# Altium PCB drac_v3.PcbDoc (part 5 of 5)
Units mm, origin at the board's own origin, x right, y up, seen from the top; angles counter-clockwise.
Board outline 160 x 227.5 mm, 6 copper layers (Top Layer, Mid Layer 1_gnd, Mid Layer 2, Mid Layer 3, Mid Layer 4_gnd, Bottom Layer), stack 1.597 mm thick; 492 components, 264 nets, 1625 pads, 1112 vias.
Unrouted connection lines stored in the file: 68.
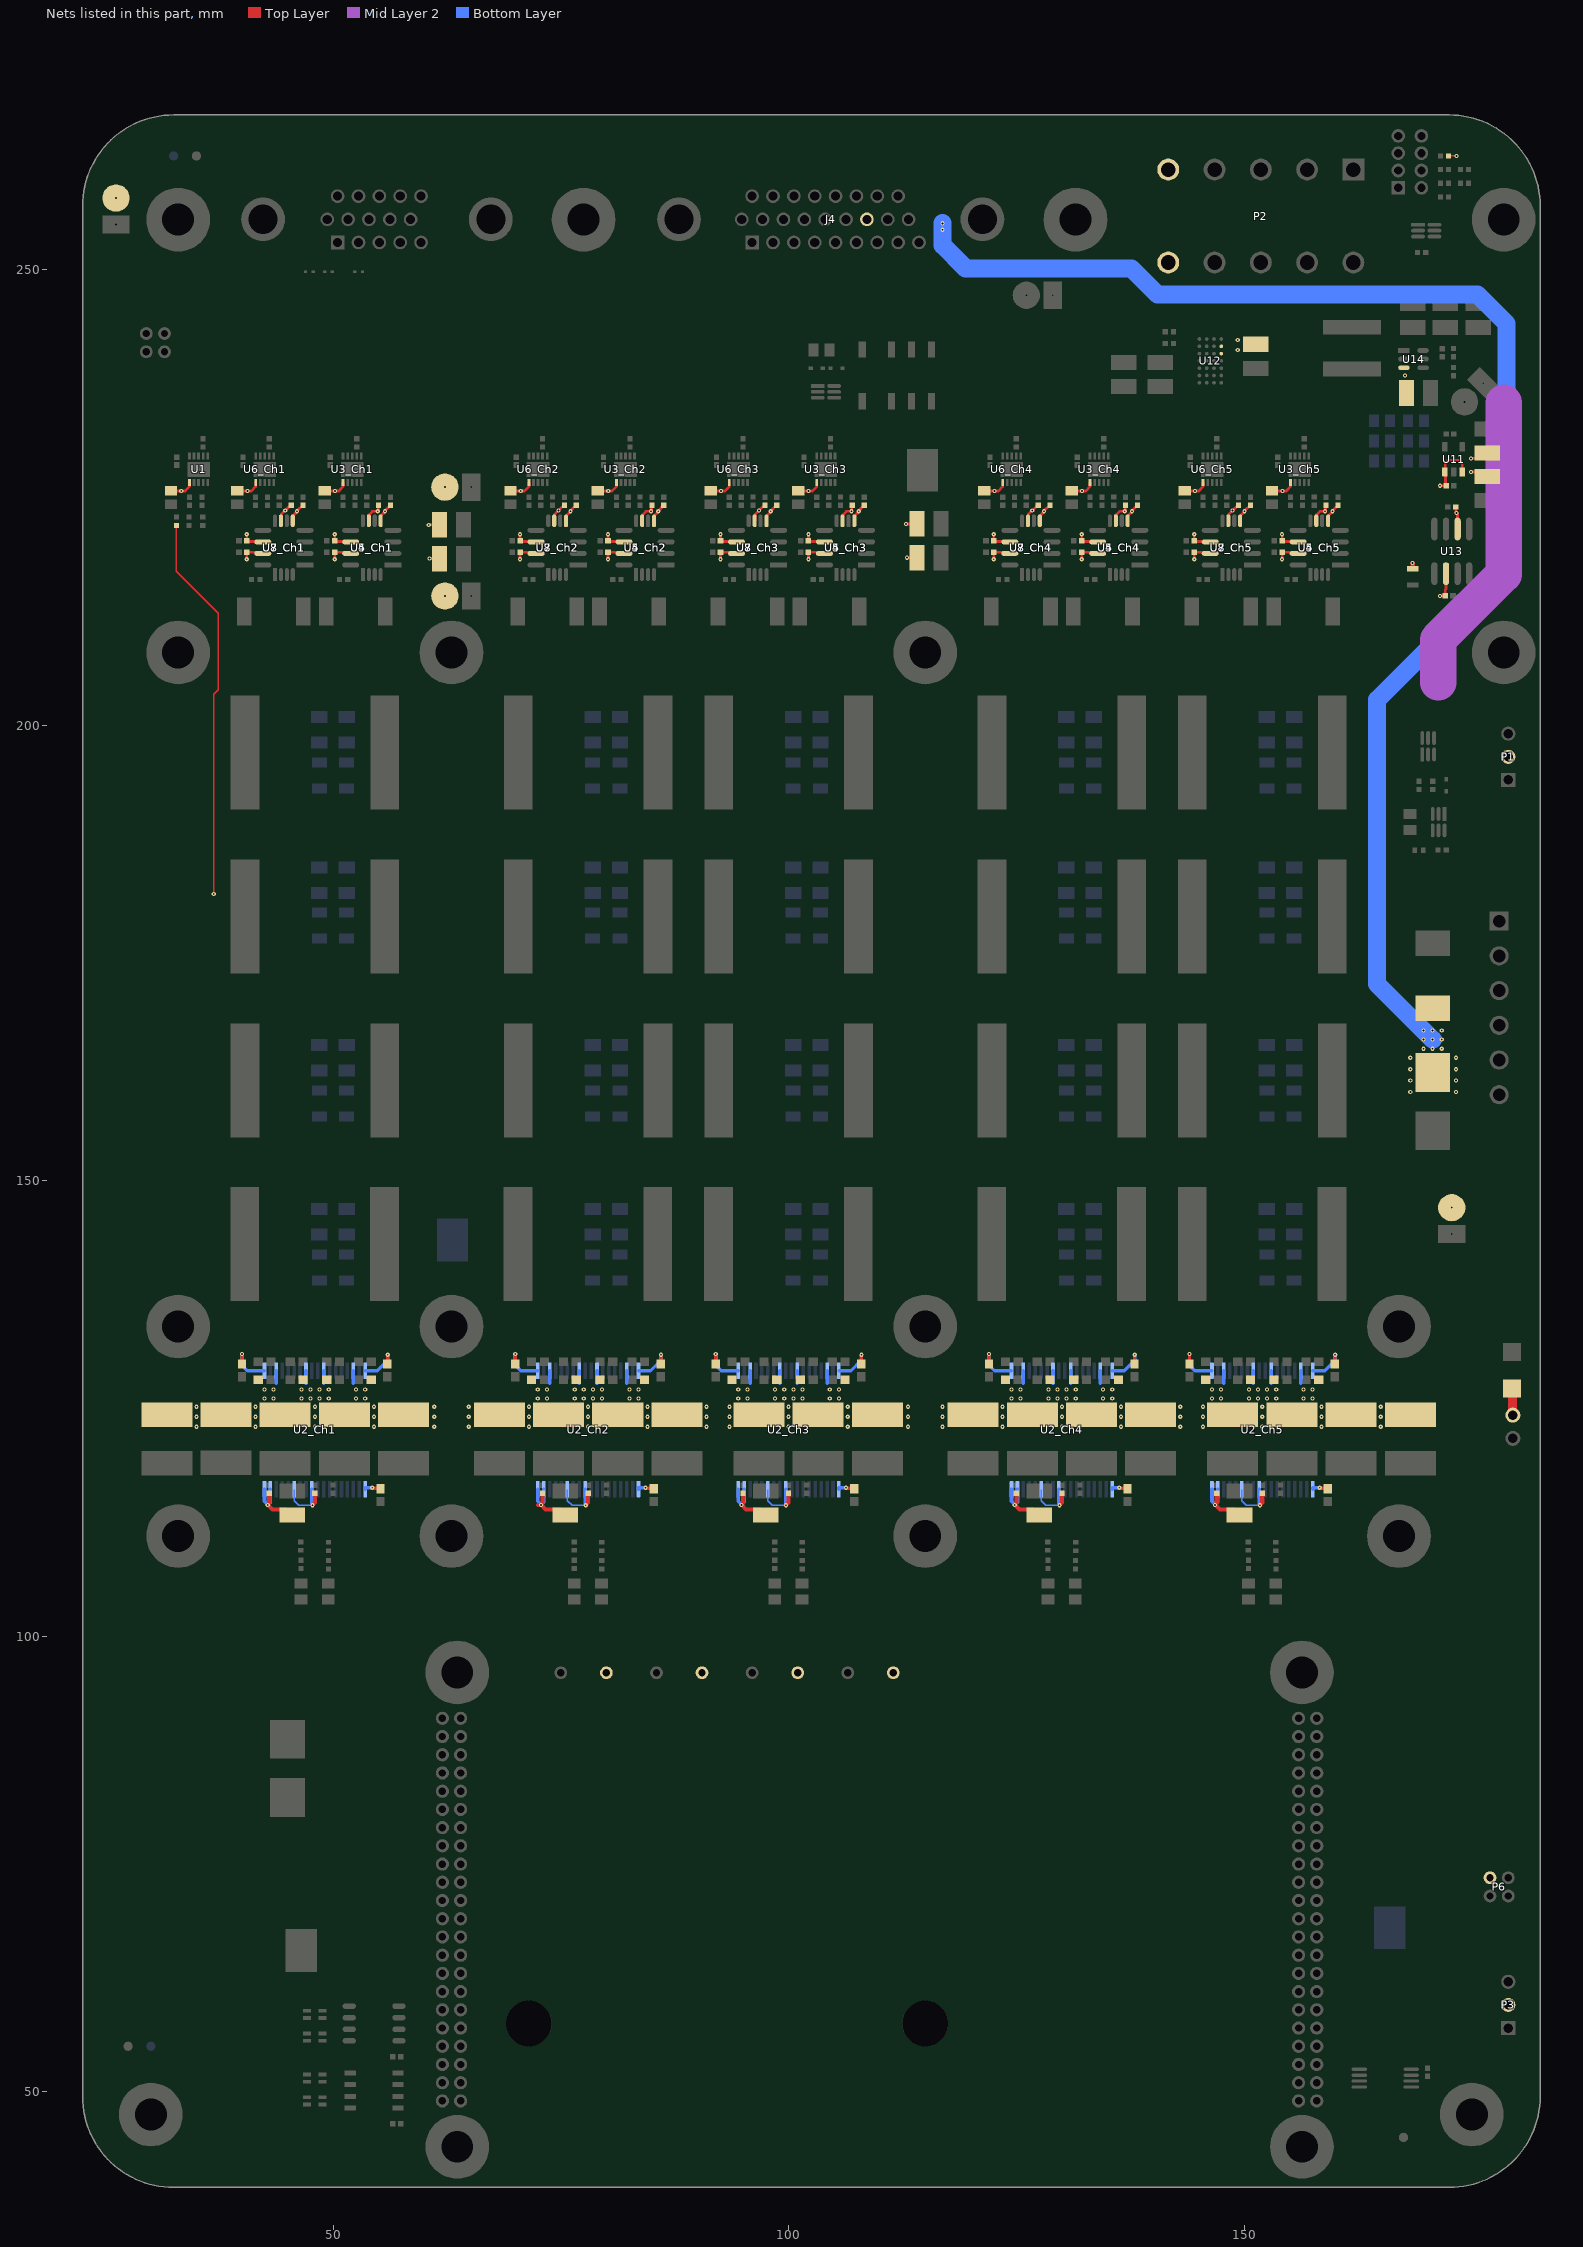
[diagram p9: the nets of this part, all layers, seen from the top]

## Via types
v1: diameter 0.457, hole 0.203, Top Layer to Bottom Layer, tented both sides, 1112 vias

## Nets (pads, with @x,y where several pads share a name; then routed paths per layer and width w, separated by ;. In a path a pad name is that pad's centre, name@x,y a point inside that pad or via, vN(x,y) a via of type N, cw(c..) or ccw(c..) an arc to the next point about the centre after c; other vN are vias at no path point) (continued)
VDD12: C21_Ch1.1 C21_Ch2.1 C21_Ch3.1 C21_Ch4.1 C21_Ch5.1 C22_Ch1.1 C22_Ch2.1 C22_Ch3.1 C22_Ch4.1 C22_Ch5.1 C23_Ch1.1 C23_Ch2.1 C23_Ch3.1 C23_Ch4.1 C23_Ch5.1 C24_Ch1.1 C24_Ch2.1 C24_Ch3.1 C24_Ch4.1 C24_Ch5.1 C25_Ch1.1 C25_Ch2.1 C25_Ch3.1 C25_Ch4.1 C25_Ch5.1 C57.1 C61.1 D12.1 J3.1 P1.2 P2.5 P2.10 P3.2 P6.2 R33.2 TP2.1 U2_Ch1.1 U2_Ch1.17 U2_Ch1.18 U2_Ch1.19 U2_Ch1.36 U2_Ch2.1 U2_Ch2.17 U2_Ch2.18 U2_Ch2.19 U2_Ch2.36 U2_Ch3.1 U2_Ch3.17 U2_Ch3.18 U2_Ch3.19 U2_Ch3.36 U2_Ch4.1 U2_Ch4.17 U2_Ch4.18 U2_Ch4.19 U2_Ch4.36 U2_Ch5.1 U2_Ch5.17 U2_Ch5.18 U2_Ch5.19 U2_Ch5.36 U12.B4 U12.C4 U14.3 | length 136.6
  Top Layer w0.152: R33.2@172.452,262.5 v1(173.3,262.5)
  Top Layer w0.35: C21_Ch1.1@40,129.902 v1(40,131) ; v1(54.3,116.3) 54.348,116.252 55.15,116.252 C23_Ch1.1@55.2,116.202 ; C22_Ch1.1@55.964,129.902 55.982,129.92 v1@55.982,130.882 ; C21_Ch2.1@70,129.902 v1(70,131) ; v1(84.3,116.3) 84.348,116.252 85.15,116.252 C23_Ch2.1@85.2,116.202 ; C22_Ch2.1@85.964,129.902 85.982,129.92 v1@85.982,130.882 ; C21_Ch3.1@92,129.902 v1(92,131) ; v1(106.3,116.3) 106.348,116.252 107.15,116.252 C23_Ch3.1@107.2,116.202 ; C22_Ch3.1@107.964,129.902 107.982,129.92 v1@107.982,130.882 ; C21_Ch4.1@122,129.902 v1(122,131) ; v1(136.3,116.3) 136.348,116.252 137.15,116.252 C23_Ch4.1@137.2,116.202 ; C22_Ch4.1@137.964,129.902 137.982,129.92 v1@137.982,130.882 ; C21_Ch5.1@144,129.902 v1(144,131) ; v1(158.3,116.3) 158.348,116.252 159.15,116.252 C23_Ch5.1@159.2,116.202 ; C22_Ch5.1@159.964,129.902 159.982,129.92 v1@159.982,130.882
  Top Layer w0.45: C24_Ch1.1@43,115.72 43,114.614 42.825,114.439 v1(42.825,114.398) 42.866,114.398 43.34,113.924 44.899,113.924 C25_Ch1.1@45.5,113.323 ; 72.497,114.398 v1(72.825,114.398) ; C24_Ch2.1@73,115.72 73,114.614 72.825,114.439 v1(72.825,114.398) ; C25_Ch2.1@75.5,113.323 74.899,113.924 73.34,113.924 72.866,114.398 v1(72.825,114.398) ; C24_Ch3.1@95,115.72 95,114.614 94.825,114.439 v1(94.825,114.398) 94.866,114.398 95.34,113.924 96.899,113.924 C25_Ch3.1@97.5,113.323 ; C24_Ch4.1@125,115.72 125,114.614 124.825,114.439 v1(124.825,114.398) 124.866,114.398 125.34,113.924 126.899,113.924 C25_Ch4.1@127.5,113.323 ; C24_Ch5.1@147,115.72 147,114.614 146.825,114.439 v1(146.825,114.398) 146.866,114.398 147.34,113.924 148.899,113.924 C25_Ch5.1@149.5,113.323
  Top Layer w1: D12.1@179.4,127.2 179.45,127.15 179.45,124.32 J3.1@179.5,124.27
  Mid Layer 2 w4: 171.3,204.7 171.3,209.4 178.5,216.6 178.5,235.4
  Bottom Layer w0.35: v1(40,131) 40,129.75 40.602,129.148 U2_Ch1.19@42.475,129.148 ; U2_Ch1.36@53.525,129.148 54.848,129.148 56,130.3 v1(56,130.9) ; v1(70,131) 70,129.75 70.602,129.148 U2_Ch2.19@72.475,129.148 ; U2_Ch2.36@83.525,129.148 84.848,129.148 86,130.3 v1(86,130.9) ; v1(92,131) 92,129.75 92.602,129.148 U2_Ch3.19@94.475,129.148 ; U2_Ch3.36@105.525,129.148 106.848,129.148 108,130.3 v1(108,130.9) ; v1(122,131) 122,129.75 122.602,129.148 U2_Ch4.19@124.475,129.148 ; U2_Ch4.36@135.525,129.148 136.848,129.148 138,130.3 v1(138,130.9) ; v1(144,131) 144,129.75 144.602,129.148 U2_Ch5.19@146.475,129.148 ; U2_Ch5.36@157.525,129.148 158.848,129.148 160,130.3 v1(160,130.9)
  Bottom Layer w0.394: U2_Ch1.18@42.475,116.148 42.475,114.829 42.813,114.491 42.813,114.41 v1(42.825,114.398) 43.125,114.698 U2_Ch1.17@43.125,116.148 ; U2_Ch1.1@53.525,116.148 53.525,116.3 v1(54.3,116.3) ; U2_Ch2.18@72.475,116.148 72.475,114.829 72.813,114.491 72.813,114.41 v1(72.825,114.398) 73.125,114.698 U2_Ch2.17@73.125,116.148 ; U2_Ch2.1@83.525,116.148 83.525,116.3 v1(84.3,116.3) ; U2_Ch3.18@94.475,116.148 94.475,114.829 94.813,114.491 94.813,114.41 v1(94.825,114.398) 95.125,114.698 U2_Ch3.17@95.125,116.148 ; U2_Ch3.1@105.525,116.148 105.525,116.3 v1(106.3,116.3) ; U2_Ch4.18@124.475,116.148 124.475,114.829 124.813,114.491 124.813,114.41 v1(124.825,114.398) 125.125,114.698 U2_Ch4.17@125.125,116.148 ; U2_Ch4.1@135.525,116.148 135.525,116.3 v1(136.3,116.3) ; U2_Ch5.18@146.475,116.148 146.475,114.829 146.813,114.491 146.813,114.41 v1(146.825,114.398) 147.125,114.698 U2_Ch5.17@147.125,116.148 ; U2_Ch5.1@157.525,116.148 157.525,116.3 v1(158.3,116.3)
  other v1: 167.665,238.404 149.3,241.2 149.3,242.3
VDDA: C18_Ch1.1 C18_Ch2.1 C18_Ch3.1 C18_Ch4.1 C18_Ch5.1 C33_Ch1.1 C33_Ch2.1 C33_Ch3.1 C33_Ch4.1 C33_Ch5.1 C34_Ch1.1 C34_Ch2.1 C34_Ch3.1 C34_Ch4.1 C34_Ch5.1 C43_Ch1.1 C43_Ch2.1 C43_Ch3.1 C43_Ch4.1 C43_Ch5.1 C47.1 C48.1 C49.1 C50.1 C51.1 C52.1 C55.2 C58.2 FB1.2 TP3.1 U4_Ch1.5 U4_Ch2.5 U4_Ch3.5 U4_Ch4.5 U4_Ch5.5 U5_Ch1.6 U5_Ch2.6 U5_Ch3.6 U5_Ch4.6 U5_Ch5.6 U7_Ch1.5 U7_Ch2.5 U7_Ch3.5 U7_Ch4.5 U7_Ch5.5 U8_Ch1.6 U8_Ch2.6 U8_Ch3.6 U8_Ch4.6 U8_Ch5.6 U11.1 U11.3 U13.2 | length 65.1
  Top Layer w0.3: v1(40.529,220.979) C34_Ch1.1@40.529,220.25 40.597,220.181 42.24,220.181 U8_Ch1.6@42.286,220.135 ; U7_Ch1.5@45.575,222.45 45.575,222.966 46.05,223.441 v1(46.05,223.5) 46.05,223.55 C33_Ch1.1@46.686,224.186 ; v1(50.179,220.979) C43_Ch1.1@50.179,220.25 50.247,220.181 51.89,220.181 U5_Ch1.6@51.936,220.135 ; U4_Ch1.5@55.225,222.45 55.225,222.966 55.7,223.441 v1(55.7,223.5) 55.7,223.55 56.3,224.15 C18_Ch1.1@56.3,224.171 ; v1(60.5,222) C50.1@61.675,222 ; v1(60.6,218.3) C49.1@61.675,218.3 ; v1(70.529,220.979) C34_Ch2.1@70.529,220.25 70.597,220.181 72.24,220.181 U8_Ch2.6@72.286,220.135 ; U7_Ch2.5@75.575,222.45 75.575,222.966 76.05,223.441 v1(76.05,223.5) 76.05,223.55 C33_Ch2.1@76.686,224.186 ; v1(80.179,220.979) C43_Ch2.1@80.179,220.25 80.247,220.181 81.89,220.181 U5_Ch2.6@81.936,220.135 ; U4_Ch2.5@85.225,222.45 85.225,222.966 85.7,223.441 v1(85.7,223.5) 85.7,223.55 86.3,224.15 C18_Ch2.1@86.3,224.171 ; v1(92.529,220.979) C34_Ch3.1@92.529,220.25 92.597,220.181 94.24,220.181 U8_Ch3.6@94.286,220.135 ; U7_Ch3.5@97.575,222.45 97.575,222.966 98.05,223.441 v1(98.05,223.5) 98.05,223.55 C33_Ch3.1@98.686,224.186 ; v1(102.179,220.979) C43_Ch3.1@102.179,220.25 102.247,220.181 103.89,220.181 U5_Ch3.6@103.936,220.135 ; U4_Ch3.5@107.225,222.45 107.225,222.966 107.7,223.441 v1(107.7,223.5) 107.7,223.55 108.3,224.15 C18_Ch3.1@108.3,224.171 ; v1(112.9,222.1) C52.1@114.075,222.1 ; v1(113,218.4) C51.1@114.075,218.4 ; v1(122.529,220.979) C34_Ch4.1@122.529,220.25 122.597,220.181 124.24,220.181 U8_Ch4.6@124.286,220.135 ; U7_Ch4.5@127.575,222.45 127.575,222.966 128.05,223.441 v1(128.05,223.5) 128.05,223.55 C33_Ch4.1@128.686,224.186 ; v1(132.179,220.979) C43_Ch4.1@132.179,220.25 132.247,220.181 133.89,220.181 U5_Ch4.6@133.936,220.135 ; U4_Ch4.5@137.225,222.45 137.225,222.966 137.7,223.441 v1(137.7,223.5) 137.7,223.55 138.3,224.15 C18_Ch4.1@138.3,224.171 ; v1(144.529,220.979) C34_Ch5.1@144.529,220.25 144.597,220.181 146.24,220.181 U8_Ch5.6@146.286,220.135 ; U7_Ch5.5@149.575,222.45 149.575,222.966 150.05,223.441 v1(150.05,223.5) 150.05,223.55 C33_Ch5.1@150.686,224.186 ; v1(154.179,220.979) C43_Ch5.1@154.179,220.25 154.247,220.181 155.89,220.181 U5_Ch5.6@155.936,220.135 ; U4_Ch5.5@159.225,222.45 159.225,222.966 159.7,223.441 v1(159.7,223.5) 159.7,223.55 160.3,224.15 C18_Ch5.1@160.3,224.171 ; v1(171.5,226.3) C55.2@172.171,226.3 172.111,226.361 172.111,227.764 U11.1@172.05,227.825 172.075,227.85 172.075,228.775 172.4,229.1 173.6,229.1 173.95,228.75 U11.3@173.95,227.825 ; C58.2@173.229,223.977 173.229,223.371 v1(173.3,223.3) 173.435,223.165 U13.2@173.435,221.55 ; v1(174.9,227.8) 176.204,227.8 C47.1@176.679,227.325 ; v1(174.9,229.3) 176.125,229.3 C48.1@176.7,229.875
  Top Layer w0.5: FB1.2@168.5,217.2 v1(168.5,217.8)
VM: C29_Ch1.1 C29_Ch2.1 C29_Ch3.1 C29_Ch4.1 C29_Ch5.1 C30_Ch1.1 C30_Ch2.1 C30_Ch3.1 C30_Ch4.1 C30_Ch5.1 C31_Ch1.1 C31_Ch2.1 C31_Ch3.1 C31_Ch4.1 C31_Ch5.1 C32_Ch1.1 C32_Ch2.1 C32_Ch3.1 C32_Ch4.1 C32_Ch5.1 C38_Ch1.1 C38_Ch2.1 C38_Ch3.1 C38_Ch4.1 C38_Ch5.1 C39_Ch1.1 C39_Ch2.1 C39_Ch3.1 C39_Ch4.1 C39_Ch5.1 C62.1 C63.1 C64.1 C65.1 C66.1 C67.1 C68.1 C69.1 C70.1 C71.1 C75.1 C76.1 C77.1 C78.1 D3.1 F2.2 J4.16 R24.2 TP1.1 U2_Ch1.21 U2_Ch1.26 U2_Ch1.29 U2_Ch1.34 U2_Ch2.21 U2_Ch2.26 U2_Ch2.29 U2_Ch2.34 U2_Ch3.21 U2_Ch3.26 U2_Ch3.29 U2_Ch3.34 U2_Ch4.21 U2_Ch4.26 U2_Ch4.29 U2_Ch4.34 U2_Ch5.21 U2_Ch5.26 U2_Ch5.29 U2_Ch5.34 | length 225.2
  Top Layer w0.152: R24.2@32.8,221.948 32.8,216.9 37.4,212.3 37.4,203.913 36.9,203.413 v1(36.9,181.5)
  Bottom Layer w0.394: 43.775,127.762 U2_Ch1.21@43.775,129.148 ; 47.025,127.762 U2_Ch1.26@47.025,129.148 ; 48.975,127.762 U2_Ch1.29@48.975,129.148 ; 52.225,127.762 U2_Ch1.34@52.225,129.148 ; 73.775,127.762 U2_Ch2.21@73.775,129.148 ; 77.025,127.762 U2_Ch2.26@77.025,129.148 ; 78.975,127.762 U2_Ch2.29@78.975,129.148 ; 82.225,127.762 U2_Ch2.34@82.225,129.148 ; 95.775,127.762 U2_Ch3.21@95.775,129.148 ; 99.025,127.762 U2_Ch3.26@99.025,129.148 ; 100.975,127.762 U2_Ch3.29@100.975,129.148 ; 104.225,127.762 U2_Ch3.34@104.225,129.148 ; 125.775,127.762 U2_Ch4.21@125.775,129.148 ; 129.025,127.762 U2_Ch4.26@129.025,129.148 ; 130.975,127.762 U2_Ch4.29@130.975,129.148 ; 134.225,127.762 U2_Ch4.34@134.225,129.148 ; 147.775,127.762 U2_Ch5.21@147.775,129.148 ; 151.025,127.762 U2_Ch5.26@151.025,129.148 ; 152.975,127.762 U2_Ch5.29@152.975,129.148 ; 156.225,127.762 U2_Ch5.34@156.225,129.148
  Bottom Layer w2: v1(116.9,255.1) v1(116.9,254.4) 116.9,252.7 119.45,250.15 137.65,250.15 140.5,247.3 175.61,247.3 178.8,244.11 178.8,217 164.6,202.8 164.6,171.6 v1(169.7,166.5) v1(170.7,165.5)
  other v1: 35,123 41.5,123 48,123 54.5,123 61.1,123 64.9,123 71.5,123 78,123 84.5,123 91,123 93.5,123 100,123 106.5,123 113.1,123 116.9,123 123.5,123 130,123 136.5,123 143,123 145.5,123 152,123 158.5,123 165,123 35,124.1 41.5,124.1 48,124.1 54.5,124.1 61.1,124.1 64.9,124.1 71.5,124.1 78,124.1 84.5,124.1 91,124.1 93.5,124.1 100,124.1 106.5,124.1 113.1,124.1 116.9,124.1 123.5,124.1 130,124.1 136.5,124.1 143,124.1 145.5,124.1 152,124.1 158.5,124.1 165,124.1 35,125.2 41.5,125.2 48,125.2 54.5,125.2 61.1,125.2 64.9,125.2 71.5,125.2 78,125.2 84.5,125.2 91,125.2 93.5,125.2 100,125.2 106.5,125.2 113.1,125.2 116.9,125.2 123.5,125.2 130,125.2 136.5,125.2 143,125.2 145.5,125.2 152,125.2 158.5,125.2 165,125.2 42.475,126.098 43.475,126.098 46.525,126.098 47.525,126.098 48.525,126.098 49.525,126.098 52.525,126.098 53.525,126.098 72.475,126.098 73.475,126.098 76.525,126.098 77.525,126.098 78.525,126.098 79.525,126.098 82.525,126.098 83.525,126.098 94.475,126.098 95.475,126.098 98.525,126.098 99.525,126.098 100.525,126.098 101.525,126.098 104.525,126.098 105.525,126.098 124.475,126.098 125.475,126.098 128.525,126.098 129.525,126.098 130.525,126.098 131.525,126.098 134.525,126.098 135.525,126.098 146.475,126.098 147.475,126.098 150.525,126.098 151.525,126.098 152.525,126.098 153.525,126.098 156.525,126.098 157.525,126.098 42.475,127.098 43.475,127.098 46.525,127.098 47.525,127.098 48.525,127.098 49.525,127.098 52.525,127.098 53.525,127.098 72.475,127.098 73.475,127.098 76.525,127.098 77.525,127.098 78.525,127.098 79.525,127.098 82.525,127.098 83.525,127.098 94.475,127.098 95.475,127.098 98.525,127.098 99.525,127.098 100.525,127.098 101.525,127.098 104.525,127.098 105.525,127.098 124.475,127.098 125.475,127.098 128.525,127.098 129.525,127.098 130.525,127.098 131.525,127.098 134.525,127.098 135.525,127.098 146.475,127.098 147.475,127.098 150.525,127.098 151.525,127.098 152.525,127.098 153.525,127.098 156.525,127.098 157.525,127.098 168.25,159.75 173.25,159.75 168.25,161 173.25,161 168.25,162.25 173.25,162.25 168.25,163.5 173.25,163.5 169.7,164.5 170.7,164.5 171.7,164.5 169.7,165.5 171.7,165.5 170.7,166.5 171.7,166.5
VREF: C4.1 C27_Ch1.1 C27_Ch2.1 C27_Ch3.1 C27_Ch4.1 C27_Ch5.1 C28_Ch1.1 C28_Ch2.1 C28_Ch3.1 C28_Ch4.1 C28_Ch5.1 C35_Ch1.1 C35_Ch2.1 C35_Ch3.1 C35_Ch4.1 C35_Ch5.1 C41_Ch1.1 C41_Ch2.1 C41_Ch3.1 C41_Ch4.1 C41_Ch5.1 C42_Ch1.1 C42_Ch2.1 C42_Ch3.1 C42_Ch4.1 C42_Ch5.1 C44_Ch1.1 C44_Ch2.1 C44_Ch3.1 C44_Ch4.1 C44_Ch5.1 C59.2 TP4.1 U1.1 U3_Ch1.1 U3_Ch2.1 U3_Ch3.1 U3_Ch4.1 U3_Ch5.1 U4_Ch1.7 U4_Ch2.7 U4_Ch3.7 U4_Ch4.7 U4_Ch5.7 U5_Ch1.7 U5_Ch2.7 U5_Ch3.7 U5_Ch4.7 U5_Ch5.7 U6_Ch1.1 U6_Ch2.1 U6_Ch3.1 U6_Ch4.1 U6_Ch5.1 U7_Ch1.7 U7_Ch2.7 U7_Ch3.7 U7_Ch4.7 U7_Ch5.7 U8_Ch1.7 U8_Ch2.7 U8_Ch3.7 U8_Ch4.7 U8_Ch5.7 U13.6 | length 82.4
  Top Layer w0.3: C4.1@32.207,225.726 33.763,225.726 34.237,226.2 U1.1@34.237,226.698 ; C41_Ch1.1@39.47,225.726 41.026,225.726 41.5,226.2 U6_Ch1.1@41.5,226.698 ; v1(40.529,218.221) C35_Ch1.1@40.529,219 41.422,219 41.557,218.865 U8_Ch1.7@42.286,218.865 ; U7_Ch1.7@44.275,222.45 44.304,222.479 44.304,223.125 45.192,224.014 45.214,224.014 45.35,224.15 C42_Ch1.1@45.35,224.171 ; C27_Ch1.1@49.07,225.726 50.626,225.726 51.1,226.2 U3_Ch1.1@51.1,226.698 ; v1(50.179,218.221) C44_Ch1.1@50.179,219 51.072,219 51.207,218.865 U5_Ch1.7@51.936,218.865 ; U4_Ch1.7@53.925,222.45 53.954,222.479 53.954,223.104 54.34,223.49 v1(54.9,223.49) ; v1@54.95,223.45 54.95,224.121 C28_Ch1.1@55,224.171 ; C41_Ch2.1@69.47,225.726 71.026,225.726 71.5,226.2 U6_Ch2.1@71.5,226.698 ; v1(70.529,218.221) C35_Ch2.1@70.529,219 71.422,219 71.557,218.865 U8_Ch2.7@72.286,218.865 ; U7_Ch2.7@74.275,222.45 74.304,222.479 74.304,223.125 75.192,224.014 75.214,224.014 75.35,224.15 C42_Ch2.1@75.35,224.171 ; C27_Ch2.1@79.07,225.726 80.626,225.726 81.1,226.2 U3_Ch2.1@81.1,226.698 ; v1(80.179,218.221) C44_Ch2.1@80.179,219 81.072,219 81.207,218.865 U5_Ch2.7@81.936,218.865 ; U4_Ch2.7@83.925,222.45 83.954,222.479 83.954,223.104 84.34,223.49 v1(84.9,223.49) ; v1@84.95,223.45 84.95,224.121 C28_Ch2.1@85,224.171 ; C41_Ch3.1@91.47,225.726 93.026,225.726 93.5,226.2 U6_Ch3.1@93.5,226.698 ; v1(92.529,218.221) C35_Ch3.1@92.529,219 93.422,219 93.557,218.865 U8_Ch3.7@94.286,218.865 ; U7_Ch3.7@96.275,222.45 96.304,222.479 96.304,223.125 97.192,224.014 97.214,224.014 97.35,224.15 C42_Ch3.1@97.35,224.171 ; C27_Ch3.1@101.07,225.726 102.626,225.726 103.1,226.2 U3_Ch3.1@103.1,226.698 ; v1(102.179,218.221) C44_Ch3.1@102.179,219 103.072,219 103.207,218.865 U5_Ch3.7@103.936,218.865 ; U4_Ch3.7@105.925,222.45 105.954,222.479 105.954,223.104 106.34,223.49 v1(106.9,223.49) ; v1@106.95,223.45 106.95,224.121 C28_Ch3.1@107,224.171 ; C41_Ch4.1@121.47,225.726 123.026,225.726 123.5,226.2 U6_Ch4.1@123.5,226.698 ; v1(122.529,218.221) C35_Ch4.1@122.529,219 123.422,219 123.557,218.865 U8_Ch4.7@124.286,218.865 ; U7_Ch4.7@126.275,222.45 126.304,222.479 126.304,223.125 127.192,224.014 127.214,224.014 127.35,224.15 C42_Ch4.1@127.35,224.171 ; C27_Ch4.1@131.07,225.726 132.626,225.726 133.1,226.2 U3_Ch4.1@133.1,226.698 ; v1(132.179,218.221) C44_Ch4.1@132.179,219 133.072,219 133.207,218.865 U5_Ch4.7@133.936,218.865 ; U4_Ch4.7@135.925,222.45 135.954,222.479 135.954,223.104 136.34,223.49 v1(136.9,223.49) ; v1@136.95,223.45 136.95,224.121 C28_Ch4.1@137,224.171 ; C41_Ch5.1@143.47,225.726 145.026,225.726 145.5,226.2 U6_Ch5.1@145.5,226.698 ; v1(144.529,218.221) C35_Ch5.1@144.529,219 145.422,219 145.557,218.865 U8_Ch5.7@146.286,218.865 ; U7_Ch5.7@148.275,222.45 148.304,222.479 148.304,223.125 149.192,224.014 149.214,224.014 149.35,224.15 C42_Ch5.1@149.35,224.171 ; C27_Ch5.1@153.07,225.726 154.626,225.726 155.1,226.2 U3_Ch5.1@155.1,226.698 ; v1(154.179,218.221) C44_Ch5.1@154.179,219 155.072,219 155.207,218.865 U5_Ch5.7@155.936,218.865 ; U4_Ch5.7@157.925,222.45 157.954,222.479 157.954,223.104 158.34,223.49 v1(158.9,223.49) ; v1@158.95,223.45 158.95,224.121 C28_Ch5.1@159,224.171 ; v1(171.5,214.2) 171.512,214.212 172.06,214.212 C59.2@172.071,214.223 172.071,214.871 172.165,214.965 U13.6@172.165,216.65
  Mid Layer 2 w0.3: v1(50.179,218.221) v1@50.2,218.2
  other v1: 44.748,223.569 74.748,223.569 96.748,223.569 126.748,223.569 148.748,223.569 33.337,225.7 40.6,225.7 50.2,225.7 70.6,225.7 80.2,225.7 92.6,225.7 102.2,225.7 122.6,225.7 132.2,225.7 144.6,225.7 154.2,225.7
VREG_Ch1: C17_Ch1.1 U2_Ch1.10 U2_Ch1.13 | length 6.6
  Top Layer w0.45: v1(47.736,114.387) 47.736,114.428 48,114.692 C17_Ch1.1@48,115.72
  Bottom Layer w0.152: U2_Ch1.13@45.725,116.073 45.725,114.898 46.236,114.387 v1(47.736,114.387)
  Bottom Layer w0.394: U2_Ch1.10@47.675,116.148 47.675,114.489 47.736,114.428 v1(47.736,114.387)
VREG_Ch2: C17_Ch2.1 U2_Ch2.10 U2_Ch2.13 | length 6.6
  Top Layer w0.45: v1(77.736,114.387) 77.736,114.428 78,114.692 C17_Ch2.1@78,115.72
  Bottom Layer w0.152: U2_Ch2.13@75.725,116.073 75.725,114.898 76.236,114.387 v1(77.736,114.387)
  Bottom Layer w0.394: U2_Ch2.10@77.675,116.148 77.675,114.489 77.736,114.428 v1(77.736,114.387)
VREG_Ch3: C17_Ch3.1 U2_Ch3.10 U2_Ch3.13 | length 6.6
  Top Layer w0.45: v1(99.736,114.387) 99.736,114.428 100,114.692 C17_Ch3.1@100,115.72
  Bottom Layer w0.152: U2_Ch3.13@97.725,116.073 97.725,114.898 98.236,114.387 v1(99.736,114.387)
  Bottom Layer w0.394: U2_Ch3.10@99.675,116.148 99.675,114.489 99.736,114.428 v1(99.736,114.387)
VREG_Ch4: C17_Ch4.1 U2_Ch4.10 U2_Ch4.13 | length 6.6
  Top Layer w0.45: v1(129.736,114.387) 129.736,114.428 130,114.692 C17_Ch4.1@130,115.72
  Bottom Layer w0.152: U2_Ch4.13@127.725,116.073 127.725,114.898 128.236,114.387 v1(129.736,114.387)
  Bottom Layer w0.394: U2_Ch4.10@129.675,116.148 129.675,114.489 129.736,114.428 v1(129.736,114.387)
VREG_Ch5: C17_Ch5.1 U2_Ch5.10 U2_Ch5.13 | length 6.6
  Top Layer w0.45: v1(151.736,114.387) 151.736,114.428 152,114.692 C17_Ch5.1@152,115.72
  Bottom Layer w0.152: U2_Ch5.13@149.725,116.073 149.725,114.898 150.236,114.387 v1(151.736,114.387)
  Bottom Layer w0.394: U2_Ch5.10@151.675,116.148 151.675,114.489 151.736,114.428 v1(151.736,114.387)
pads on no net: F1.1 F1.2 FD1.0 FD2.0 FD3.0 FD4.0 FD5.0 FD6.0 J1.3 J1.9 J1.10 J1.13 J4.9 J4.18 K1.2 K1.7 P1.1 Q3.3 Q3.4 Q3.5 U12.A3 U13.1 U13.3 U13.5 U13.7 U13.8

## Polygon pours and split planes (outlines as drawn)
VDD on Mid Layer 2 "VDD_L03_P075" (solid, pour order 75): 30,228.5 30,230 167.3,230 167.6,230.3 167.6,233.9 170.5,233.9 170.5,228.5
VDD12 on Mid Layer 2 "VDD12_L03_P065" (solid, pour order 65): 182,233.9 22.5,233.9 22.5,266.5 182,266.5
/BRAKE1 on Mid Layer 2 "/BRAKE1_L03_P032" (solid, pour order 32): 96,258.08 98.29,258.08 96,253 96,248.8 93.2,248.8 93.2,255.1
VDD on Mid Layer 2 "VDD_L03_P005" (solid, pour order 5): 172.5,101 172.5,41 22.5,41 22.5,101 65.5,101
VDD12 on Mid Layer 2 "VDD12_L03_P004" (solid, pour order 4): 181.5,207 181.5,41 173.5,41 173.5,102 30,102 30,207
VDDA on Mid Layer 2 "Mid Layer 2-VDDA" (solid, pour order 73): 30,209.5 168,209.5 176.1,217.6 176.1,230.2 170.4,230.2 170.4,224 30,224
VDD1.8 on Mid Layer 2 "VDD1.8_L03_P002" (solid, pour order 2): 30,224.5 30,228.5 170,228.5 170,224.5
/BRAKE3 on Mid Layer 2 "/BRAKE3_L03_P064" (solid, pour order 64): 105.16,258.08 107.45,258.08 105.16,253 105.175,249.8 102.87,249.8 102.87,253
BRAKE3 on Mid Layer 2 "BRAKE3_L03_P063" (solid, pour order 63): 102.87,258.08 105.16,258.08 102.87,253 102.885,249.8 100.58,249.8 100.58,253
/BRAKE2 on Mid Layer 2 "/BRAKE2_L03_P062" (solid, pour order 62): 100.58,258.08 102.87,258.08 100.58,253 100.595,249.8 98.29,249.8 98.29,253
BRAKE2 on Mid Layer 2 "BRAKE2_L03_P061" (solid, pour order 61): 98.29,258.08 100.58,258.08 98.29,253 98.305,249.8 96,249.8 96,253
/MOTOR4 on Bottom Layer "/MOTOR4_L06_P056" (solid, pour order 56): 156.5,213.5 156.5,232 161,232 161,213.5
/MOTOR3 on Bottom Layer "/MOTOR3_L06_P052" (solid, pour order 52): 134.5,213.5 134.5,234.5 139,234.5 139,213.5
/BRAKE2 on Bottom Layer "/BRAKE2_L06_P048" (solid, pour order 48): 52.5,213.5 52.5,234.5 57,234.5 57,213.5
/MOTOR1 on Bottom Layer "/MOTOR1_L06_P044" (solid, pour order 44): 82.5,213.5 82.5,234.5 87,234.5 87,213.5
/MOTOR2 on Bottom Layer "/MOTOR2_L06_P039" (solid, pour order 39): 104.5,213.5 104.5,234.5 109,234.5 109,213.5
COIL2_N4 on Bottom Layer "COIL2_N4_L06_P055" (solid, pour order 55): 121,213.5 121,234.5 125.5,234.5 125.5,213.5
/MOTOR6 on Bottom Layer "/MOTOR6_L06_P054" (solid, pour order 54): 125.5,213.5 125.5,234.5 130,234.5 130,213.5
COIL2_N5 on Bottom Layer "COIL2_N5_L06_P059" (solid, pour order 59): 143,213.5 143,228 147.5,228 147.5,213.5
/MOTOR7 on Bottom Layer "/MOTOR7_L06_P058" (solid, pour order 58): 147.5,213.5 147.5,229.9 152,229.9 152,213.5
COIL1_N5 on Bottom Layer "COIL1_N5_L06_P057" (solid, pour order 57): 152,213.5 152,229.886 156.5,229.886 156.5,213.5
COIL1_N4 on Bottom Layer "COIL1_N4_L06_P053" (solid, pour order 53): 130,213.5 130,234.5 134.5,234.5 134.5,213.5
COIL2_N3 on Bottom Layer "COIL2_N3_L06_P043" (solid, pour order 43): 91,213.5 91,234.5 95.5,234.5 95.5,213.5
/MOTOR5 on Bottom Layer "/MOTOR5_L06_P042" (solid, pour order 42): 95.5,213.5 95.5,234.5 100,234.5 100,213.5
COIL1_N3 on Bottom Layer "COIL1_N3_L06_P041" (solid, pour order 41): 100,213.5 100,234.5 104.5,234.5 104.5,213.5
BRAKE3 on Bottom Layer "BRAKE3_L06_P047" (solid, pour order 47): 69,213.5 69,234.5 73.5,234.5 73.5,213.5
/BRAKE3 on Bottom Layer "/BRAKE3_L06_P046" (solid, pour order 46): 73.5,213.5 73.5,234.5 78,234.5 78,213.5
COIL1_N2 on Bottom Layer "COIL1_N2_L06_P045" (solid, pour order 45): 78,213.5 78,234.5 82.5,234.5 82.5,213.5
BRAKE2 on Bottom Layer "BRAKE2_L06_P049" (solid, pour order 49): 48,213.5 48,234.5 52.5,234.5 52.5,213.5
/BRAKE1 on Bottom Layer "/BRAKE1_L06_P050" (solid, pour order 50): 43.5,213.5 43.5,234.5 48,234.5 48,213.5
BRAKE1 on Bottom Layer "BRAKE1_L06_P051" (solid, pour order 51): 39,213.5 39,234.5 43.5,234.5 43.5,213.5
VM on Top Layer "VM_L01_P076" (solid, pour order 76): 107.6,255.6 117.9,255.6 117.9,253.5 107.6,253.5
NetF2_1 on Top Layer "NETF2_1_L01_P074" (solid, pour order 74): 174,165.5 181.5,165.5 181.5,150.5 167.5,150.5 167.5,158.5 174,158.5
COIL2_N3 on Top Layer "COIL2_N3_L01_P067" (solid, pour order 67): 93.71,255.6 96.01,255.6 96.01,250.7 93.71,250.7
/MOTOR7 on Top Layer "/MOTOR7_L01_P071" (solid, pour order 71): 105.16,255.6 107.46,255.6 107.46,250.7 105.16,250.7
COIL2_N5 on Top Layer "COIL2_N5_L01_P070" (solid, pour order 70): 102.87,255.6 105.17,255.6 105.17,250.68 102.87,250.68
/MOTOR6 on Top Layer "/MOTOR6_L01_P069" (solid, pour order 69): 100.58,255.6 102.88,255.6 102.88,250.7 100.58,250.7
COIL2_N4 on Top Layer "COIL2_N4_L01_P068" (solid, pour order 68): 98.29,255.6 100.59,255.6 100.59,250.7 98.29,250.7
/MOTOR5 on Top Layer "/MOTOR5_L01_P066" (solid, pour order 66): 96,255.6 98.3,255.6 98.3,250.7 96,250.7
GND on Mid Layer 4_gnd (split plane): 156 vertices, not listed, extent 23.008,40.008 181.992,266.492
GND on Mid Layer 3 (split plane): 241 vertices, not listed, extent 23.008,40.008 181.992,266.492
VM on Mid Layer 3 (split plane): 181.99,102.002 120,102.002 119.869,101.994 119.741,101.968 119.616,101.926 119.499,101.868 119.39,101.795 119.291,101.709 119.205,101.61 119.132,101.501 119.074,101.384 119.032,101.259 119.006,101.131 118.998,101 118.998,92.502 71.002,92.502 71.002,101 70.994,101.131 70.968,101.259 70.926,101.384 70.868,101.501 70.795,101.61 70.709,101.709 70.61,101.795 70.501,101.868 70.384,101.926 70.259,101.968 70.131,101.994 70,102.002 33.502,102.002 33.502,108.5 35.5,108.5 35.5,113.5 33.502,113.5 33.502,131.5 35.5,131.5 35.5,136.5 33.502,136.5 33.502,181 33.502,182.998 181.99,182.998
VREF on Mid Layer 3 (split plane): 181.99,215.102 177.5,215.102 177.461,215.094 177.428,215.072 173.958,211.602 168.742,211.602 164.272,216.072 164.239,216.094 164.2,216.102 31.602,216.102 31.602,227.898 181.99,227.898
GND on Mid Layer 1_gnd (split plane): 156 vertices, not listed, extent 23.008,40.008 181.992,266.492

## Keep-outs
Keep-Out Layer:
  the board outline again, w0.254

## Other copper
Top Layer:
  rectangle net ISENSE+2_Ch2: 84,149 87,152
  rectangle net BRAKE3: 84,167 87,170
  rectangle net COIL2_N3: 106,167 109,170
  rectangle net ISENSE+2_Ch3: 106,149 109,152
  rectangle net ISENSE+2_Ch4: 136,149 139,152
  rectangle net COIL2_N4: 136,167 139,170
  rectangle net ISENSE+2_Ch5: 158,149 161,152
  rectangle net COIL2_N5: 158,167 161,170
  rectangle net ISENSE+2_Ch1: 54,149 57,152
  rectangle net BRAKE1: 54,167 57,170
  region net NetF2_1: 167.5,158.5 174,158.5 174,152.5 167.5,152.5
  region: 34.5,94.5 34.5,75.5 55,75.5 55,94.5
  region net VM: 167.5,168 167.5,159.1 173.6,159.1 173.6,168
  region net VM: 42.275,127.698 42.275,127.4 43.775,127.4 43.775,125.598 42,125.598 42,127.698
  region net GND: 172.2,177 172.2,181 169.2,181 169.2,177
  region net GND: 167.1,247.2 167.1,245.2 177.4,245.2 177.4,247.2
  region net VDD12: 168.173,239.268 168.173,237.846 166.929,237.846 166.929,239.268
  region net NetL9_1: 167.538,240.462 165.557,240.462 164.998,239.903 164.998,238.303 165.151,238.303 166.776,239.928 167.538,239.928
  region net VDD6: 158.7,244.8 177.4,244.8 177.4,241.021 171.475,241.021 171.475,241.757 158.7,241.757
  region net VM: 29,122.4 29,125.6 171,125.6 171,122.4
  region net GND: 29,118.5 29,121.5 171,121.5 171,118.5
  region net /MOTOR4: 154,204.5 152.6,204.5 152.6,205.9 154,205.9
  region net /MOTOR3: 132,204.5 130.6,204.5 130.6,205.9 132,205.9
  region net /MOTOR2: 102,204.5 100.6,204.5 100.6,205.9 102,205.9
  region net /MOTOR1: 80,204.5 78.6,204.5 78.6,205.9 80,205.9
  region net GND: 154.225,126 154.225,128.498 156.525,128.498 156.525,127.698 155.8,127.698 155.8,126
  region net VM: 157.725,127.698 157.725,127.4 156.225,127.4 156.225,125.598 158,125.598 158,127.698
  region net VM: 153.8,127.698 153.8,125.598 150.2,125.598 150.2,127.698
  region net GND: 149.775,126 149.775,128.498 147.475,128.498 147.475,127.698 148.2,127.698 148.2,126
  region net VM: 146.275,127.698 146.275,127.4 147.775,127.4 147.775,125.598 146,125.598 146,127.698
  region net GND: 132.225,126 132.225,128.498 134.525,128.498 134.525,127.698 133.8,127.698 133.8,126
  region net VM: 135.725,127.698 135.725,127.4 134.225,127.4 134.225,125.598 136,125.598 136,127.698
  region net VM: 131.8,127.698 131.8,125.598 128.2,125.598 128.2,127.698
  region net GND: 127.775,126 127.775,128.498 125.475,128.498 125.475,127.698 126.2,127.698 126.2,126
  region net VM: 124.275,127.698 124.275,127.4 125.775,127.4 125.775,125.598 124,125.598 124,127.698
  region net GND: 102.225,126 102.225,128.498 104.525,128.498 104.525,127.698 103.8,127.698 103.8,126
  region net VM: 105.725,127.698 105.725,127.4 104.225,127.4 104.225,125.598 106,125.598 106,127.698
  region net VM: 101.8,127.698 101.8,125.598 98.2,125.598 98.2,127.698
  region net GND: 97.775,126 97.775,128.498 95.475,128.498 95.475,127.698 96.2,127.698 96.2,126
  region net VM: 94.275,127.698 94.275,127.4 95.775,127.4 95.775,125.598 94,125.598 94,127.698
  region net GND: 80.225,126 80.225,128.498 82.525,128.498 82.525,127.698 81.8,127.698 81.8,126
  region net VM: 83.725,127.698 83.725,127.4 82.225,127.4 82.225,125.598 84,125.598 84,127.698
  region net VM: 79.8,127.698 79.8,125.598 76.2,125.598 76.2,127.698
  region net GND: 75.775,126 75.775,128.498 73.475,128.498 73.475,127.698 74.2,127.698 74.2,126
  region net VM: 72.275,127.698 72.275,127.4 73.775,127.4 73.775,125.598 72,125.598 72,127.698
  region net GND: 145.6,240.3 145.6,241.9 146.2,241.9 146.2,241.1 147,241.1 147,240.3 153.2,240.3 153.2,236.3 148.2,236.3 148.2,236.4 148.2,238.8 135.3,238.8 135.3,243.8 141.6,243.8 141.6,240.7 144.3,240.7 144.3,240.3
  region net GND: 45.775,126 45.775,128.498 43.475,128.498 43.475,127.698 44.2,127.698 44.2,126
  region net COIL1_N2: 78.5,211 80,211 80,209.5 81.5,209.5 81.5,206.5 78.5,206.5
  region net ISENSE-1_Ch2: 86.5,211 85,211 85,209.5 83.5,209.5 83.5,206.5 86.5,206.5
  region net /BRAKE3: 77.5,211 76,211 76,209.5 74.5,209.5 74.5,206.5 77.5,206.5
  region net ISENSE+2_Ch2: 69.5,211 71,211 71,209.5 72.5,209.5 72.5,206.5 69.5,206.5
  region net ISENSE-1_Ch3: 108.5,211 107,211 107,209.5 105.5,209.5 105.5,206.5 108.5,206.5
  region net COIL1_N3: 100.5,211 102,211 102,209.5 103.5,209.5 103.5,206.5 100.5,206.5
  region net /MOTOR5: 99.5,211 98,211 98,209.5 96.5,209.5 96.5,206.5 99.5,206.5
  region net ISENSE+2_Ch3: 91.5,211 93,211 93,209.5 94.5,209.5 94.5,206.5 91.5,206.5
  region net /MOTOR6: 129.5,211 128,211 128,209.5 126.5,209.5 126.5,206.5 129.5,206.5
  region net ISENSE+2_Ch4: 121.5,211 123,211 123,209.5 124.5,209.5 124.5,206.5 121.5,206.5
  region net COIL1_N4: 130.5,211 132,211 132,209.5 133.5,209.5 133.5,206.5 130.5,206.5
  region net ISENSE-1_Ch4: 138.5,211 137,211 137,209.5 135.5,209.5 135.5,206.5 138.5,206.5
  region net ISENSE+2_Ch5: 143.5,211 145,211 145,209.5 146.5,209.5 146.5,206.5 143.5,206.5
  region net /MOTOR7: 151.5,211 150,211 150,209.5 148.5,209.5 148.5,206.5 151.5,206.5
  region net COIL1_N5: 152.5,211 154,211 154,209.5 155.5,209.5 155.5,206.5 152.5,206.5
  region net ISENSE-1_Ch5: 160.5,211 159,211 159,209.5 157.5,209.5 157.5,206.5 160.5,206.5
  region net VDD6: 147.8,238.4 147.8,236.3 135.3,236.3 135.3,238.4
  region net VDD12: 147.3,241.6 147.3,240.8 153.2,240.8 153.2,243.7 148.2,243.7 148.2,241.6
  region net ISENSE-1_Ch1: 56.5,211 55,211 55,209.5 53.5,209.5 53.5,206.5 56.5,206.5
  region net VM: 49.8,127.698 49.8,125.598 46.2,125.598 46.2,127.698
  region net VM: 53.725,127.698 53.725,127.4 52.225,127.4 52.225,125.598 54,125.598 54,127.698
  region net GND: 50.225,126 50.225,128.498 52.525,128.498 52.525,127.698 51.8,127.698 51.8,126
  region net /BRAKE2: 50,204.5 48.6,204.5 48.6,205.9 50,205.9
  region net BRAKE2: 48.5,211 50,211 50,209.5 51.5,209.5 51.5,206.5 48.5,206.5
  region net /BRAKE1: 47.5,211 46,211 46,209.5 44.5,209.5 44.5,206.5 47.5,206.5
  region net ISENSE+2_Ch1: 39.5,211 41,211 41,209.5 42.5,209.5 42.5,206.5 39.5,206.5
Mid Layer 2:
  region net /BRAKE1: 43.5,233 43.5,236 46.5,236 46.5,233
  region net BRAKE1: 40,233 40,236 43,236 43,233
  region net /BRAKE2: 52.5,233 52.5,236 55.5,236 55.5,233
  region net BRAKE2: 49,233 49,236 52,236 52,233
  region net BRAKE3: 70,233 70,236 73,236 73,233
  region net /BRAKE3: 73.5,233 73.5,236 76.5,236 76.5,233
  pour cut-out: 29,101 66,64 66,55 56.1,55 23.5,87.6 23.5,101
Bottom Layer:
  region net NetC7_Ch5_2: 150.5,130 150.5,133.198 149,133.198 149,130.398 150.2,130.398 150.2,130
  region net NetC6_Ch5_2: 153.5,130 153.5,133.198 155,133.198 155,130.398 153.8,130.398 153.8,130
  region net VM: 150.225,125.598 153.825,125.598 153.825,127.998 153.125,127.998 153.125,128.398 152.825,128.398 152.825,127.998 151.225,127.998 150.825,127.998 150.225,127.998
  region net NetC5_Ch5_2: 155.45,130 155.45,131.85 156.75,133.15 159.05,133.15 159.05,131.65 157.25,131.65 155.7,130.2 155.7,130
  region net NetC8_Ch5_2: 148.55,130 148.55,131.85 147.25,133.15 144.95,133.15 144.95,131.65 146.75,131.65 148.3,130.2 148.3,130
  region net VM: 147.956,125.598 147.956,128.298 147.6,128.298 147.6,127.998 146.175,127.998 146.175,125.598
  region net GND: 148.3,125.598 149.875,125.598 149.875,128.298 148.882,128.298 148.882,127.998 148.3,127.998
  region net GND: 155.7,125.598 154.125,125.598 154.125,128.298 155.125,128.298 155.125,127.998 155.7,127.998
  region net VM: 156.045,125.598 156.045,128.298 156.4,128.298 156.4,127.998 157.825,127.998 157.825,125.598
  region net NetC7_Ch4_2: 128.5,130 128.5,133.198 127,133.198 127,130.398 128.2,130.398 128.2,130
  region net NetC6_Ch4_2: 131.5,130 131.5,133.198 133,133.198 133,130.398 131.8,130.398 131.8,130
  region net VM: 128.225,125.598 131.825,125.598 131.825,127.998 131.125,127.998 131.125,128.398 130.825,128.398 130.825,127.998 129.225,127.998 128.825,127.998 128.225,127.998
  region net NetC5_Ch4_2: 133.45,130 133.45,131.85 134.75,133.15 137.05,133.15 137.05,131.65 135.25,131.65 133.7,130.2 133.7,130
  region net NetC8_Ch4_2: 126.55,130 126.55,131.85 125.25,133.15 122.95,133.15 122.95,131.65 124.75,131.65 126.3,130.2 126.3,130
  region net VM: 125.956,125.598 125.956,128.298 125.6,128.298 125.6,127.998 124.175,127.998 124.175,125.598
  region net GND: 126.3,125.598 127.875,125.598 127.875,128.298 126.882,128.298 126.882,127.998 126.3,127.998
  region net GND: 133.7,125.598 132.125,125.598 132.125,128.298 133.125,128.298 133.125,127.998 133.7,127.998
  region net VM: 134.045,125.598 134.045,128.298 134.4,128.298 134.4,127.998 135.825,127.998 135.825,125.598
  region net NetC7_Ch3_2: 98.5,130 98.5,133.198 97,133.198 97,130.398 98.2,130.398 98.2,130
  region net NetC6_Ch3_2: 101.5,130 101.5,133.198 103,133.198 103,130.398 101.8,130.398 101.8,130
  region net VM: 98.225,125.598 101.825,125.598 101.825,127.998 101.125,127.998 101.125,128.398 100.825,128.398 100.825,127.998 99.225,127.998 98.825,127.998 98.225,127.998
  region net NetC5_Ch3_2: 103.45,130 103.45,131.85 104.75,133.15 107.05,133.15 107.05,131.65 105.25,131.65 103.7,130.2 103.7,130
  region net NetC8_Ch3_2: 96.55,130 96.55,131.85 95.25,133.15 92.95,133.15 92.95,131.65 94.75,131.65 96.3,130.2 96.3,130
  region net VM: 95.956,125.598 95.956,128.298 95.6,128.298 95.6,127.998 94.175,127.998 94.175,125.598
  region net GND: 96.3,125.598 97.875,125.598 97.875,128.298 96.882,128.298 96.882,127.998 96.3,127.998
  region net GND: 103.7,125.598 102.125,125.598 102.125,128.298 103.125,128.298 103.125,127.998 103.7,127.998
  region net VM: 104.045,125.598 104.045,128.298 104.4,128.298 104.4,127.998 105.825,127.998 105.825,125.598
  region net NetC7_Ch2_2: 76.5,130 76.5,133.198 75,133.198 75,130.398 76.2,130.398 76.2,130
  region net NetC6_Ch2_2: 79.5,130 79.5,133.198 81,133.198 81,130.398 79.8,130.398 79.8,130
  region net VM: 76.225,125.598 79.825,125.598 79.825,127.998 79.125,127.998 79.125,128.398 78.825,128.398 78.825,127.998 77.225,127.998 76.825,127.998 76.225,127.998
  region net NetC5_Ch2_2: 81.45,130 81.45,131.85 82.75,133.15 85.05,133.15 85.05,131.65 83.25,131.65 81.7,130.2 81.7,130
  region net NetC8_Ch2_2: 74.55,130 74.55,131.85 73.25,133.15 70.95,133.15 70.95,131.65 72.75,131.65 74.3,130.2 74.3,130
  region net VM: 73.956,125.598 73.956,128.298 73.6,128.298 73.6,127.998 72.175,127.998 72.175,125.598
  region net GND: 74.3,125.598 75.875,125.598 75.875,128.298 74.882,128.298 74.882,127.998 74.3,127.998
  region net GND: 81.7,125.598 80.125,125.598 80.125,128.298 81.125,128.298 81.125,127.998 81.7,127.998
  region net VM: 82.045,125.598 82.045,128.298 82.4,128.298 82.4,127.998 83.825,127.998 83.825,125.598
  region net NetF2_1: 167.5,158.6 167.5,152.4 174.4,152.4 174.4,158.6
  region net COIL1_N2: 79.2,235.4 79.2,232.4 82.2,232.4 82.2,235.4
  region net /MOTOR1: 84,235.4 84,232.4 87,232.4 87,235.4
  region net COIL1_N3: 99.1,230.5 102.1,230.5 102.1,233.5 99.1,233.5
  region net /MOTOR2: 104.5,237.3 104.5,234.3 107.5,234.3 107.5,237.3
  region net VM: 52.045,125.598 52.045,128.298 52.4,128.298 52.4,127.998 53.825,127.998 53.825,125.598
  region net GND: 51.7,125.598 50.125,125.598 50.125,128.298 51.125,128.298 51.125,127.998 51.7,127.998
  region net ISENSE+2_Ch5: 144,207 145.4,207 145.4,208.9 144,208.9
  region net /MOTOR4: 155.9,204 155.9,206.1 152.5,206.1 152.5,204
  region net ISENSE+2_Ch4: 122,207 123.4,207 123.4,208.9 122,208.9
  region net /MOTOR3: 133.9,204 133.9,206.1 130.5,206.1 130.5,204
  region net ISENSE+2_Ch3: 92,207 93.4,207 93.4,208.9 92,208.9
  region net /MOTOR2: 103.9,204 103.9,206.1 100.5,206.1 100.5,204
  region net ISENSE+2_Ch2: 70,207 71.4,207 71.4,208.9 70,208.9
  region net /MOTOR1: 81.9,204 81.9,206.1 78.5,206.1 78.5,204
  region net GND: 44.3,125.598 45.875,125.598 45.875,128.298 44.882,128.298 44.882,127.998 44.3,127.998
  region net VM: 43.956,125.598 43.956,128.298 43.6,128.298 43.6,127.998 42.175,127.998 42.175,125.598
  region net NetC8_Ch1_2: 44.55,130 44.55,131.85 43.25,133.15 40.95,133.15 40.95,131.65 42.75,131.65 44.3,130.2 44.3,130
  region net NetC5_Ch1_2: 51.45,130 51.45,131.85 52.75,133.15 55.05,133.15 55.05,131.65 53.25,131.65 51.7,130.2 51.7,130
  region net ISENSE+2_Ch2: 84.5,151 84.5,149.5 86.5,149.5 86.5,151
  region net COIL1_N2: 80,209 78.5,209 78.5,207 80,207
  region net /BRAKE3: 75.5,207 77.5,207 77.5,214 74.5,214 74.5,211.5 75.5,210.5
  region net BRAKE3: 84.5,169 84.5,167.5 86.5,167.5 86.5,169
  region net ISENSE+2_Ch3: 106.5,151 106.5,149.5 108.5,149.5 108.5,151
  region net /MOTOR5: 97.5,207 99.5,207 99.5,214 96.5,214 96.5,211.5 97.5,210.5
  region net COIL1_N3: 102,209 100.5,209 100.5,207 102,207
  region net COIL2_N3: 106.5,169 106.5,167.5 108.5,167.5 108.5,169
  region net ISENSE+2_Ch4: 136.5,151 136.5,149.5 138.5,149.5 138.5,151
  region net /MOTOR6: 127.5,207 129.5,207 129.5,214 126.5,214 126.5,211.5 127.5,210.5
  region net COIL2_N4: 136.5,169 136.5,167.5 138.5,167.5 138.5,169
  region net COIL1_N4: 132,209 130.5,209 130.5,207 132,207
  region net /MOTOR7: 149.5,207 151.5,207 151.5,214 148.5,214 148.5,211.5 149.5,210.5
  region net COIL2_N5: 158.5,169 158.5,167.5 160.5,167.5 160.5,169
  region net COIL1_N5: 154,209 152.5,209 152.5,207 154,207
  region net ISENSE+2_Ch5: 158.5,151 158.5,149.5 160.5,149.5 160.5,151
  region net VM: 46.225,125.598 49.825,125.598 49.825,127.998 49.125,127.998 49.125,128.398 48.825,128.398 48.825,127.998 47.225,127.998 46.825,127.998 46.225,127.998
  region net NetC6_Ch1_2: 49.5,130 49.5,133.198 51,133.198 51,130.398 49.8,130.398 49.8,130
  region net NetC7_Ch1_2: 46.5,130 46.5,133.198 45,133.198 45,130.398 46.2,130.398 46.2,130
  region net ISENSE+2_Ch1: 54.5,151 54.5,149.5 56.5,149.5 56.5,151
  region net /BRAKE1: 45.5,207 47.5,207 47.5,214 44.5,214 44.5,211.5 45.5,210.5
  region net BRAKE1: 54.5,169 54.5,167.5 56.5,167.5 56.5,169
  region net /BRAKE2: 51.9,204 51.9,206.1 48.5,206.1 48.5,204
  region net BRAKE2: 50,209 48.5,209 48.5,207 50,207
  region net ISENSE+2_Ch1: 40,207 41.4,207 41.4,208.9 40,208.9
Mid Layer 3 (plane layer: these items are gaps in the copper):
  region: 30.5,113.5 35.5,113.5 35.5,108.5 30.5,108.5
  region: 30.5,136.5 35.5,136.5 35.5,131.5 30.5,131.5
  lines w0.2: 182.5,215 177.5,215 174,211.5 168.7,211.5 164.2,216 31.5,216 31.5,228 182.5,228
  lines w2: 182.5,101 120,101 120,91.5 70,91.5 70,101 32.5,101 32.5,181 32.5,184 182.5,184

## Silkscreen, mask and mechanical layers (free items; w line width, h text height)
Top Overlay:
  drawing of 491 lines, arcs and shapes, not listed
  text "EN S2 S1 GND 12V" at 138,265.7 h1.5 r180
  text "SAFETY CHAIN" at 138.1,264.085 h1.8 r180
  text "12V" at 25.5,252.5 h2 r270
  text "Robot Comm" at 70,249.5 h4 r180
  text "Robot Power" at 124,249.5 h4 r180
  text "ESPM / 6V" at 128.125,244.5 h2 r180
  text "GND" at 27.2,243.485 h2 r180
  text "RX>" at 36.4,243.487 h2 r180
  text "INT" at 36.4,241.4 h2 r180
  text ">TX" at 27.3,241.387 h2 r180
  text "dSIB UART" at 33.339,239.09 h3 r180
  text "1.8V" at 179.01,237.49 h2 r225
  text "Vref / 4.096V" at 57.5,229.297 h2 r270
  text "VDDA / 5V" at 57.5,216.313 h2 r270
  text "dRAC" at 25.725,191.9 h9 r270
  text "MV / REQ" at 163.85,184.5 h1.5
  text "FAN" at 178.597,182.5 h3 r90
  text "NC 12V RTN" at 181.5,182.5 h2 r90
  text "2023 Johns Hopkins University / https://github.com/jhu-dvrk/drac" at 25.425,173.8 h2 r270
  text "v3.4" at 29.5,173.75 h5 r270
  text "fuse" at 167.5,154 h3 r90
  text "48V" at 169.5,148.5 h2 r270
  text "48V 48V GND GND GND /ON" at 181.5,134 h2 r90
  text "48V PS" at 178.597,132.5 h3 r90
  text "GND 12V" at 181.5,112 h2 r90
  text "12V PS" at 178.597,110.5 h3 r90
  text "B1" at 40.025,106.098 h2
  text "B2" at 52.025,106.098 h2
  text "B3" at 70.025,106.098 h2
  text "M1" at 82.025,106.098 h2
  text "M5" at 92.025,106.098 h2
  text "M2" at 104.025,106.098 h2
  text "M6" at 122.025,106.098 h2
  text "M3" at 134.025,106.098 h2
  text "M7" at 144.025,106.098 h2
  text "M4" at 156.025,106.098 h2
  text "S/N" at 25.5,88 h2 r270
  text "spare fuse" at 54,81 h3 r90
  text "12V" at 177.5,76 h2 r90
  text "GND" at 179.985,76 h2 r90
  text "EXTRA" at 171.5,68.5 h3 r90
  text "IO2" at 177.485,66 h2 r90
  text "IO1" at 179.985,66 h2 r90
  text "LED" at 171.5,55.5 h3 r90
  text "SIG 12V GND" at 174.5,54.5 h2 r90
Bottom Overlay:
  text "-B1+" at 98.025,259.48 h1
  text "-B2+" at 102.605,259.48 h1
  text "-B3+" at 107.185,259.48 h1
  text "GND  6V" at 112.866,259.4 h1
  text "- RCLK +" at 53.573,259.373 h1
  text "- RDAT +" at 60.573,259.373 h1
  text "-M5+" at 96.885,254.04 h1
  text "-M6+" at 101.465,254.04 h1
  text "-M7+" at 106.045,254.04 h1
  text "-M1+" at 98.025,251.2 h1
  text "-M2+" at 102.605,251.2 h1
  text "-M3+" at 107.185,251.2 h1
  text "-M4+" at 111.765,251.2 h1
  text "- TDAT +" at 60.356,251.1 h1
  text "- TCLK +" at 53.573,251.073 h1

## Text inside footprints (layer, text, board x,y; h text height)
FPGA1: Top Overlay "J2" at 60.275,47.065 h1 r180; Top Overlay "J1" at 153.025,49.4 h1 r180; Top Overlay "43" at 60.841,90.384 h0.81 r90; Top Overlay "44" at 65.095,91.717 h0.81 r270; Top Overlay "44" at 159.139,91.717 h0.81 r270; Top Overlay "43" at 154.821,90.384 h0.81 r90; Top Overlay "10" at 65.159,57.587 h0.81 r270; Top Overlay "5" at 60.841,52.855 h0.81 r90; Top Overlay "15" at 60.841,62.507 h0.81 r90; Top Overlay "25" at 60.841,72.413 h0.81 r90; Top Overlay "35" at 60.841,82.446 h0.81 r90; Top Overlay "1" at 60.587,48.791 h0.81 r90; Top Overlay "20" at 65.159,67.587 h0.81 r270; Top Overlay "30" at 65.159,77.62 h0.81 r270; Top Overlay "40" at 65.095,87.653 h0.71 r270; Top Overlay "2" at 65.159,49.299 h0.81 r270; Top Overlay "1" at 154.567,48.791 h0.81 r90; Top Overlay "2" at 159.139,49.299 h0.81 r270; Top Overlay "40" at 159.139,87.526 h0.81 r270; Top Overlay "30" at 159.139,77.62 h0.81 r270; Top Overlay "20" at 159.139,67.587 h0.81 r270; Top Overlay "10" at 159.139,57.427 h0.81 r270; Top Overlay "25" at 154.821,72.413 h0.81 r90; Top Overlay "15" at 154.821,62.507 h0.81 r90; Top Overlay "5" at 154.821,52.855 h0.81 r90; Bottom Overlay "J2" at 59.275,47.065 h1 r180; Bottom Overlay "J1" at 151.925,49.35 h1 r180
J1: Top Overlay "15" at 62.02,258.74 h0.8 r180
J4: Top Overlay "26" at 114.52,258.74 h0.8 r180